# Altium PCB PCB.PcbDoc (part 2 of 10)
Units mm, origin at the board's own origin, x right, y up, seen from the top; angles counter-clockwise.
Board outline 25 x 25 mm, 10 copper layers (Top Layer, bu3, bu2, bu1, Core1, Core1b, bu1b, bu2b, bu3b, Bottom Layer), stack 1.2 mm thick; 43 components, 310 nets, 1945 pads, 12307 vias.
Unrouted connection lines stored in the file: 68.
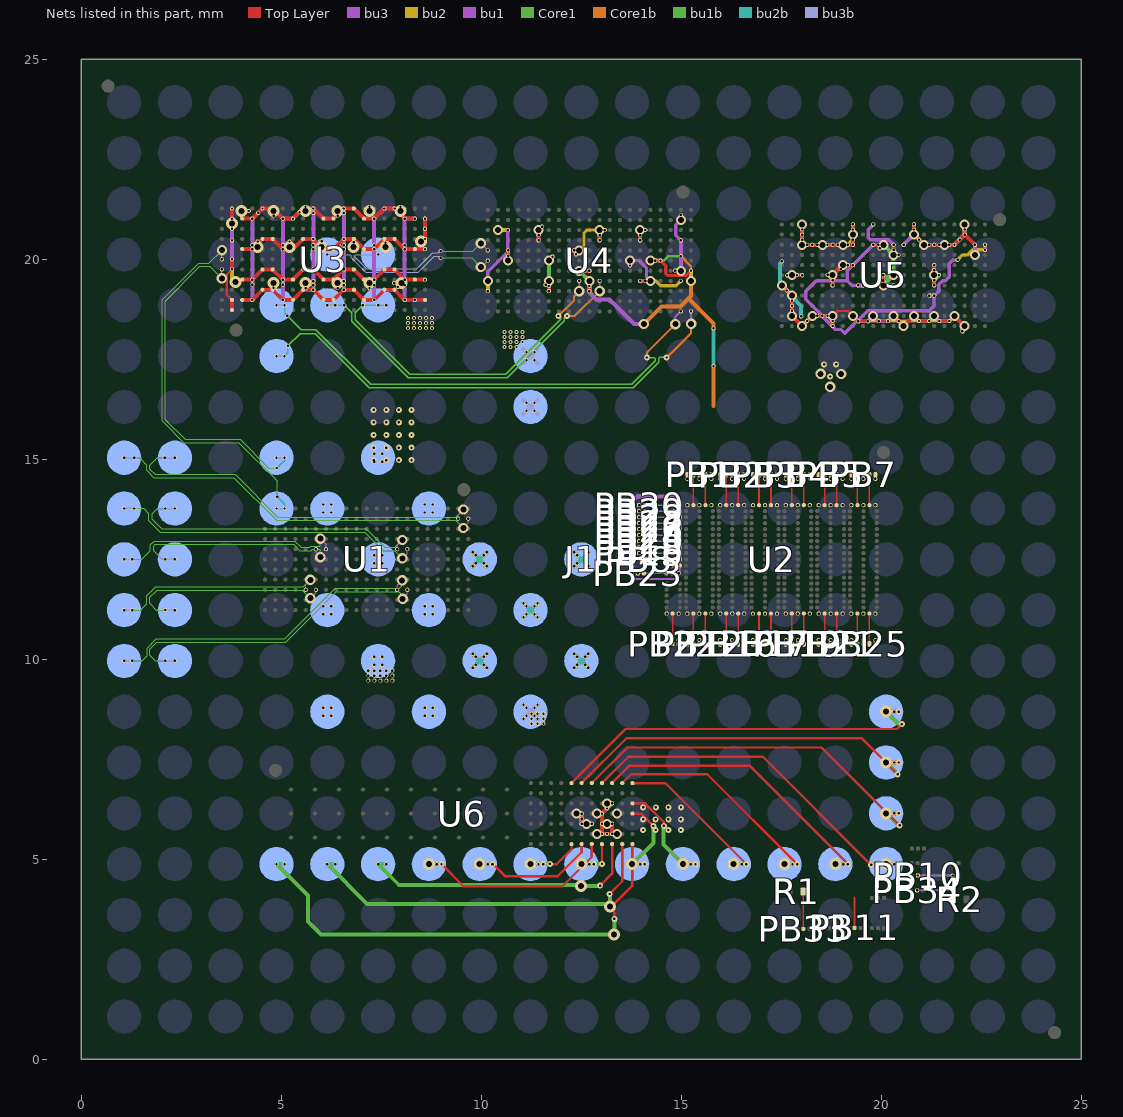
[diagram p10: the nets of this part, all layers, seen from the top]

## Via types
v1: diameter 0.1, hole 0.06, Top Layer to bu3, 2216 vias
v2: diameter 0.1, hole 0.06, bu3 to bu2, 1881 vias
v3: diameter 0.1, hole 0.06, bu3b to Bottom Layer, 1302 vias
v4: diameter 0.1, hole 0.06, bu2b to bu3b, 1272 vias
v5: diameter 0.1, hole 0.06, bu2 to bu1, 1248 vias
v6: diameter 0.15/0.1 (per signal layer), hole 0.06, Core1b to bu1b, 1224 vias
v7: diameter 0.1/0.15 (per signal layer), hole 0.06, bu1 to Core1, 1096 vias
v8: diameter 0.1, hole 0.06, bu1b to bu2b, 1021 vias
v9: diameter 0.25, hole 0.15, Core1 to Core1b, 537 vias
v10: diameter 0.3, hole 0.15, Core1 to Core1b, 253 vias
v11: diameter 0.1/0.1 (per signal layer), hole 0.06, bu1b to bu2b, 114 vias
v12: diameter 0.26, hole 0.15, Core1 to Core1b, 81 vias
v13: diameter 0.1, hole 0.06, bu1 to Core1, 52 vias
v14: diameter 0.105, hole 0.06, Top Layer to bu3, 6 vias
v15: diameter 0.1, hole 0.06, Core1b to bu1b, 4 vias

## Nets (pads, with @x,y where several pads share a name; then routed paths per layer and width w, separated by ;. In a path a pad name is that pad's centre, name@x,y a point inside that pad or via, vN(x,y) a via of type N, cw(c..) or ccw(c..) an arc to the next point about the centre after c; other vN are vias at no path point) (continued)
AVDD2: J1.F11 J1.G11 U4.J7 U4.K7 U5.A7 U5.B8 U5.B9 U5.B10 U5.C1 U5.C2 U5.C3 U5.C11 U5.D3 U5.D10 U5.E3 U5.E10 U5.F3 U5.F10 U5.F11 U5.G3 U5.H1 U5.H2 U5.H3 U5.H10 U5.J10 U5.L10 U5.M3 U5.M11 U5.N1 U5.N2 U5.N10 U5.O3 U5.P3 U5.P10 U5.Q3 U5.R3 U5.R10 U5.S1 U5.S2 U5.S11 U5.T3 | length 36.8
  Top Layer w0.06: v1(18.782,18.586) 18.904,18.708 19.168,18.708 v1(19.29,18.586) 19.423,18.453 19.665,18.453 v1(19.798,18.586) 19.927,18.457 20.177,18.457 v1(20.306,18.586) ; v1(20.814,18.586) 20.942,18.458 v2(21.195,18.459) v1(21.322,18.586) 21.447,18.461 21.705,18.461 v1(21.83,18.586)
  Top Layer w0.1: v1(12.448,19.714) v1(12.702,19.714) ; v1(17.512,19.348) v1(17.766,19.094) v1(17.766,18.84) v1(17.766,18.586) v1(18.02,18.332) v1(18.274,18.586) v1(18.528,18.586) v1(18.782,18.586) v1(18.782,18.332) ; v1(18.02,20.872) v1(18.02,20.618) v1(18.02,20.364) v1(18.274,20.364) v1(18.528,20.364) v1(18.782,20.364) v1(19.036,20.364) v1(19.29,20.364) v1(19.29,20.618) v1(19.29,20.872) ; v1(20.306,18.586) v1(20.56,18.332) v1(20.814,18.586) ; v1(20.814,20.872) v1(20.814,20.618) v1(21.068,20.364) v1(21.322,20.364) v1(21.576,20.364) v1(21.83,20.364) v1(22.084,20.618) ; v1(21.83,18.586) v1(22.084,18.332) ; v1(22.084,20.872) v1(22.084,20.618) ; v1(22.338,20.364) v1(22.084,20.618)
  bu3 w0.05: v1(21.83,18.586) 21.84,18.576 21.84,18.534 22.032,18.342 22.074,18.342 v1(22.084,18.332)
  bu3 w0.07: v1(20.814,18.586) v2(20.941,18.459) v2(21.195,18.459) v1(21.322,18.586) v2(21.449,18.459) v2(21.703,18.459) v1(21.83,18.586)
  bu3 w0.08: v1(19.29,18.586) v2(19.427,18.449) v2(19.661,18.449) v1(19.798,18.586) 19.803,18.586 v2(19.936,18.453) v2(20.168,18.453) 20.301,18.586 v1(20.306,18.586)
  bu3 w0.1: v1(12.448,19.714) v2(12.575,19.714) v1(12.702,19.714) ; v1(17.512,19.348) v2(17.639,19.221) v1(17.766,19.094) v2(17.766,18.967) v1(17.766,18.84) v2(17.766,18.713) v1(17.766,18.586) ; v1(18.02,18.332) v2(18.147,18.459) v1(18.274,18.586) v2(18.401,18.586) v1(18.528,18.586) v2(18.655,18.586) v1(18.782,18.586) v2(18.782,18.459) v1(18.782,18.332) ; v1(18.02,20.872) v2(18.02,20.745) v1(18.02,20.618) v2(18.02,20.491) v1(18.02,20.364) v2(18.147,20.364) v1(18.274,20.364) v2(18.401,20.364) v1(18.528,20.364) v2(18.655,20.364) v1(18.782,20.364) v2(18.909,20.364) v1(19.036,20.364) v2(19.163,20.364) v1(19.29,20.364) v2(19.29,20.491) v1(19.29,20.618) v2(19.29,20.745) v1(19.29,20.872) ; v1(20.306,18.586) v2(20.433,18.459) v1(20.56,18.332) ; v1(20.56,20.364) v1(20.814,20.618) ; v1(20.814,20.872) v2(20.814,20.745) v1(20.814,20.618) ; v1(22.084,20.872) v2(22.084,20.745) v1(22.084,20.618) v2(21.957,20.491) v1(21.83,20.364) v2(21.703,20.364) v1(21.576,20.364) v2(21.449,20.364) v1(21.322,20.364) v2(21.195,20.364) v1(21.068,20.364) v2(20.941,20.491) v1(20.814,20.618) ; v5(22.338,20.11) v1(22.338,20.364)
  Core1 w0.1: v1(12.448,19.714) v9(12.702,19.46)
  Core1b w0.1: v1(12.448,19.714) v9(12.702,19.46) ; v1(17.512,19.348) v1(17.766,19.094)
  bu3b w0.1: 11.055,16.135 v3(11.13,16.21) 11.23,16.31 ; 11.055,16.485 v3(11.13,16.41) 11.23,16.31 ; 11.055,17.405 v3(11.13,17.48) 11.23,17.58 ; 11.055,17.755 v3(11.13,17.68) 11.23,17.58 ; 11.405,16.135 v3(11.33,16.21) 11.23,16.31 ; 11.405,16.485 v3(11.33,16.41) 11.23,16.31 ; 11.405,17.405 v3(11.33,17.48) 11.23,17.58 ; 11.405,17.755 v3(11.33,17.68) 11.23,17.58
  bu2 w0.08: v1(19.29,18.586) 19.417,18.459 19.796,18.459 ; v1(19.798,18.586) 19.798,18.461 19.796,18.459 ; v1(20.306,18.586) 20.302,18.582 20.302,18.461 20.3,18.459 ; v1(20.56,18.332) 20.56,18.456 20.563,18.459 ; v1(20.814,18.586) 20.814,18.465 20.808,18.459 ; v1(21.322,18.586) 21.322,18.459 ; v5(22.024,18.198) 22.024,18.272 v1(22.084,18.332) v1(21.83,18.586) v2(21.703,18.459) v2(21.449,18.459) 21.322,18.459 ; 19.796,18.459 20.3,18.459 ; 20.3,18.459 20.563,18.459 ; 20.563,18.459 20.808,18.459 ; 20.808,18.459 v2(20.941,18.459) v2(21.195,18.459) 21.322,18.459
  bu2 w0.1: v1(12.448,19.714) v2(12.575,19.714) v1(12.702,19.714) ; v1(17.512,19.348) v2(17.639,19.221) v1(17.766,19.094) v2(17.766,18.967) v2(17.766,18.713) v1(17.766,18.586) ; v1(18.02,18.332) v2(18.147,18.459) v1(18.274,18.586) v2(18.401,18.586) v2(18.655,18.586) v1(18.782,18.586) v2(18.782,18.459) ; v1(18.02,20.872) v2(18.02,20.745) v2(18.02,20.491) v1(18.02,20.364) v2(18.147,20.364) v2(18.401,20.364) v1(18.528,20.364) v2(18.655,20.364) v2(18.909,20.364) v1(19.036,20.364) v2(19.163,20.364) v2(19.29,20.491) v1(19.29,20.618) v2(19.29,20.745) ; v1(20.814,20.872) v2(20.814,20.745) v1(20.814,20.618) v2(20.941,20.491) v1(21.068,20.364) v2(21.195,20.364) v1(21.322,20.364) v2(21.449,20.364) v1(21.576,20.364) v2(21.703,20.364) v1(21.83,20.364) v2(21.957,20.491) v1(22.084,20.618) v2(22.084,20.745) v1(22.084,20.872)
  bu2b w0.1: v8(17.515,19.948) 17.465,19.898 17.465,19.395 v1(17.512,19.348) v1(17.766,19.094) 17.766,19.067 17.995,18.838 v8(17.995,18.575)
  bu1 w0.1: v1(12.448,19.714) v1(12.702,19.714) ; v5(22.024,18.198) 22.024,18.272 v1(22.084,18.332)
  other v1: 12.575,19.714
  other v2: 22.084,18.332 12.702,19.714 22.338,20.11 18.274,20.364 18.782,20.364 21.322,20.364 21.83,20.364 22.084,20.618 20.814,20.872
  other v4: 10.58,17.807 10.73,17.807 10.88,17.807 10.58,17.932 10.73,17.932 10.88,17.932 11.03,17.932 10.58,18.057 10.73,18.057 10.88,18.057 11.03,18.057 10.58,18.182 10.73,18.182 10.88,18.182 11.03,18.182
  other v5: 18.02,18.332 20.56,18.332 17.766,18.586 18.274,18.586 18.782,18.586 19.29,18.586 19.798,18.586 20.306,18.586 20.814,18.586 21.322,18.586 21.83,18.586 17.766,19.094 17.512,19.348 12.448,19.714 12.702,19.714 18.02,20.364 18.528,20.364 19.036,20.364 21.068,20.364 21.576,20.364 19.29,20.618 20.814,20.618 18.02,20.872 22.084,20.872
  other v6: 18.02,18.332 20.56,18.332 22.084,18.332 17.766,18.586 18.274,18.586 18.782,18.586 19.29,18.586 19.798,18.586 20.306,18.586 20.814,18.586 21.322,18.586 21.83,18.586 17.766,19.094 17.512,19.348 12.702,19.46 12.448,19.714 22.338,20.11 18.02,20.364 18.528,20.364 19.036,20.364 21.068,20.364 21.576,20.364 19.29,20.618 20.814,20.618 18.02,20.872 22.084,20.872
  other v7: 18.02,18.332 20.56,18.332 22.084,18.332 17.766,18.586 18.274,18.586 18.782,18.586 19.29,18.586 19.798,18.586 20.306,18.586 20.814,18.586 21.322,18.586 21.83,18.586 17.766,19.094 17.512,19.348 12.448,19.714 22.338,20.11 18.02,20.364 18.528,20.364 19.036,20.364 21.068,20.364 21.576,20.364 19.29,20.618 20.814,20.618 18.02,20.872 22.084,20.872
  other v8: 10.58,17.807 10.73,17.807 10.88,17.807 10.58,17.932 10.73,17.932 10.88,17.932 11.03,17.932 10.58,18.057 10.73,18.057 10.88,18.057 11.03,18.057 10.58,18.182 10.73,18.182 10.88,18.182 11.03,18.182
  other v9: 18.02,18.332 20.56,18.332 22.084,18.332 17.766,18.586 18.274,18.586 18.782,18.586 19.29,18.586 19.798,18.586 20.306,18.586 20.814,18.586 21.322,18.586 21.83,18.586 17.766,19.094 17.512,19.348 12.448,19.714 22.338,20.11 18.02,20.364 18.528,20.364 19.036,20.364 21.068,20.364 21.576,20.364 19.29,20.618 20.814,20.618 18.02,20.872 22.084,20.872
  other v11: 17.766,19.094 17.512,19.348
BL__cml_out_1: J1.E15 U4.L8 | length 8.9
  Core1b w0.05: v6(12.143,18.584) 12.334,18.584 v12(12.956,19.206)
  bu3b w0.035: v3(6.15,18.85) v4(6.35,18.85)
  bu2b w0.035: v4(6.35,18.85) v8(6.578,18.85)
  bu1 w0.035: v12(12.956,19.206) v2(12.956,19.46)
  bu1b w0.035: v8(6.578,18.85) 6.766,18.662 6.766,18.449 8.172,17.043 10.65,17.043 12.076,18.469 12.076,18.534 12.127,18.584 v6(12.143,18.584)
  other v1: 12.956,19.46
  other v5: 12.956,19.46
  other v7: 12.956,19.206
BL__cml_out_2: J1.E14 U4.J8 | length 8.7
  Core1b w0.05: v6(11.925,18.583) 12.311,18.969 12.311,19.069 v12(12.448,19.206)
  bu3b w0.035: v3(7.42,18.85) v4(7.62,18.85)
  bu2b w0.035: v8(7.039,18.849) 7.04,18.85 v4(7.62,18.85)
  bu1 w0.035: v12(12.448,19.206) v2(12.448,19.46)
  bu1b w0.035: v8(7.039,18.849) 6.851,18.661 6.851,18.484 8.207,17.128 10.615,17.128 11.992,18.505 11.992,18.534 11.942,18.583 v6(11.925,18.583)
  other v1: 12.448,19.46
  other v5: 12.448,19.46
  other v7: 12.448,19.206
BL__hs_clk_n: J1.D14 U4.A5 | length 4.4
  bu3b w0.03: v3(7.42,20.12) 6.843,20.12 6.825,20.102 6.825,20.078 7.142,19.761 8.392,19.761 8.79,20.159 8.928,20.159 8.973,20.204 v4(8.981,20.204)
  bu1 w0.03: v6(9.986,20.399) v5@10.162,20.222
  bu1b w0.03: v4(8.981,20.204) 8.988,20.197 9.784,20.197 v6(9.986,20.399)
  other v1: 10.162,20.222
  other v2: 10.162,20.222
  other v5: 10.162,20.222
  other v7: 9.986,20.399
  other v8: 8.981,20.204
  other v12: 9.986,20.399
BL__hs_clk_p: J1.D15 U4.A6 | length 4.6
  bu3b w0.03: v3(6.15,20.12) 6.727,20.12 6.745,20.102 6.745,20.044 7.108,19.681 8.425,19.681 8.823,20.08 8.928,20.08 8.973,20.035 v8(8.981,20.035)
  bu1 w0.03: v6(9.986,19.807) 9.994,19.807 10.155,19.968 v1(10.162,19.968)
  bu1b w0.03: v8(8.981,20.035) 9.758,20.035 v6(9.986,19.807)
  other v2: 10.162,19.968
  other v4: 8.981,20.035
  other v5: 10.162,19.968
  other v7: 9.986,19.807
  other v12: 9.986,19.807
BL__mri_rf_lo_n: J1.E16 U4.T11 | length 12.4
  Core1b w0.05: v6(14.14,17.545) 14.145,17.55 14.145,17.673 v12(14.85,18.378)
  bu3b w0.035: v3(4.88,18.85) v4(5.08,18.85)
  bu2b w0.035: v4(5.08,18.85) 5.08,18.654 v8(5.147,18.587)
  bu1 w0.035: v12(14.85,18.378) 14.85,18.56 v1(14.988,18.698)
  bu1b w0.035: v8(5.147,18.587) 5.494,18.24 5.866,18.24 7.23,16.876 13.761,16.876 14.345,17.46 14.345,17.525 14.324,17.545 v6@14.141,17.545
  other v2: 14.988,18.698
  other v5: 14.988,18.698
  other v7: 14.85,18.378
BL__mri_rf_lo_p: J1.F16 U4.U11 | length 12.4
  Core1b w0.05: v6(14.634,17.546) 15.247,18.159 v12(15.247,18.388)
  bu3b w0.035: v3(4.88,17.58) v4(5.08,17.58)
  bu2b w0.035: v4(5.08,17.58) 5.166,17.666 v8(5.166,17.835)
  bu1 w0.035: v1(15.242,18.698) 15.244,18.695 15.244,18.39 v12(15.247,18.388)
  bu1b w0.035: v8(5.166,17.835) 5.473,18.142 5.844,18.142 7.195,16.791 13.796,16.791 14.43,17.424 14.43,17.525 14.451,17.546 v6(14.634,17.546)
  other v2: 15.242,18.698
  other v5: 15.242,18.698
  other v7: 15.247,18.388
DVDD: J1.K10 J1.K12 J1.L11 J1.M10 J1.M12 J1.N11 U3.A8 U3.A9 U3.A10 U3.T1 U3.T2 U3.T5 U3.T6 U3.T9 U3.T10 U3.T11 U4.A9 U4.B3 U4.K8 U4.K9 U4.Q6 U4.R6 U4.U7 U5.I7 U5.J3 U5.K3 U5.P8 U5.U3 U6.D6 U6.E5 U6.E6 | length 43.1
  Top Layer w0.03: U5.P8@21.309,19.102 21.317,19.094 v5(21.322,19.094)
  Top Layer w0.06: U3.T2@3.767,18.985 3.633,19.119 3.633,19.613 v1(3.767,19.747)
  Top Layer w0.08: v1(14.48,19.968) 14.609,19.839 14.609,19.642 14.656,19.595 15.123,19.595 v1(15.242,19.714)
  Top Layer w0.1: U3.T1@3.767,18.731 U3.T2@3.767,18.985 ; v1(3.767,19.747) v1(3.767,20.001) ; v1(3.767,20.763) v1(3.767,21.017) v1(3.767,21.271) ; v1(8.593,20.509) v1(8.593,20.763) v1(8.593,21.017) ; v1(12.508,6.143) v1(12.508,5.889) v1(12.762,5.889) ; v1(12.702,19.206) v1(12.702,19.46) ; v1(14.226,19.968) v1(14.48,19.968) ; v1(19.798,20.364) v1(20.052,20.364)
  bu3 w0.08: v5(21.322,19.094) 21.327,19.094 21.337,19.104 21.342,19.104 21.437,19.199 21.437,19.372 21.532,19.467 21.603,19.467 21.7,19.563 21.7,19.889 21.797,19.985 21.903,19.985 v2(21.907,19.989)
  bu3 w0.1: v1(3.767,19.747) v1(3.767,20.001) v1(3.767,20.763) v1(3.767,21.017) v1(3.767,21.271) ; v1(8.593,20.509) v1(8.593,20.763) v1(8.593,21.017) ; v1(12.508,6.143) v2(12.508,6.016) v1(12.508,5.889) v5(12.635,5.889) v1(12.762,5.889) ; v1(12.702,19.206) v2(12.702,19.333) v1(12.702,19.46) ; v1(14.226,19.968) v2(14.353,19.968) v1(14.48,19.968) ; v2(19.42,19.347) v2(19.42,19.347) v1(19.544,19.348) ; v1(19.798,20.364) v2(19.925,20.364) v1(20.052,20.364) ; v2(21.199,19.093) v2@21.301,19.094 ; v2(22.592,20.239) v1(22.592,20.364)
  Core1b w0.06: v15(14.99,20.079) 15.242,19.827 v5(15.242,19.46)
  Core1b w0.1: v7(14.063,18.384) 14.502,18.823 14.985,18.823 15.181,19.019 ; v5(15.242,19.46) 15.242,19.08 15.181,19.019 ; 15.804,16.328 v8(15.804,17.328) ; v15(15.804,18.273) 15.804,18.397 15.181,19.019
  bu3b w0.1: v4(9.785,9.785) v3(9.86,9.86) 9.96,9.96 ; v4(9.785,10.135) v3(9.86,10.06) 9.96,9.96 ; v4(9.785,12.325) v3(9.86,12.4) 9.96,12.5 ; v4(9.785,12.675) v3(9.86,12.6) 9.96,12.5 ; v4(10.135,9.785) v3(10.06,9.86) 9.96,9.96 ; v4(10.135,10.135) v3(10.06,10.06) 9.96,9.96 ; v4(10.135,12.325) v3(10.06,12.4) 9.96,12.5 ; v4(10.135,12.675) v3(10.06,12.6) 9.96,12.5 ; v4(11.055,8.515) v3(11.13,8.59) 11.23,8.69 ; v4(11.055,8.865) v3(11.13,8.79) 11.23,8.69 ; v4(11.055,11.055) v3(11.13,11.13) 11.23,11.23 ; v4(11.055,11.405) v3(11.13,11.33) 11.23,11.23 ; v4(11.405,8.515) v3(11.33,8.59) 11.23,8.69 ; v4(11.405,8.865) v3(11.33,8.79) 11.23,8.69 ; v4(11.405,11.055) v3(11.33,11.13) 11.23,11.23 ; v4(11.405,11.405) v3(11.33,11.33) 11.23,11.23 ; v4(12.325,9.785) v3(12.4,9.86) 12.5,9.96 ; v4(12.325,10.135) v3(12.4,10.06) 12.5,9.96 ; v4(12.325,12.325) v3(12.4,12.4) 12.5,12.5 ; v4(12.325,12.675) v3(12.4,12.6) 12.5,12.5 ; v4(12.675,9.785) v3(12.6,9.86) 12.5,9.96 ; v4(12.675,10.135) v3(12.6,10.06) 12.5,9.96 ; v4(12.675,12.325) v3(12.6,12.4) 12.5,12.5 ; v4(12.675,12.675) v3(12.6,12.6) 12.5,12.5
  bu2 w0.08: v2(21.907,19.989) 22.029,20.111 22.162,20.111 22.29,20.239 v2(22.592,20.239)
  bu2 w0.1: v2(3.767,20.476) v1(3.767,19.747) 3.767,19.517 v13(3.854,19.43) ; v1(3.767,20.763) v13(3.767,20.892) v1(3.767,21.017) ; v5(8.491,20.449) 8.533,20.449 v1(8.593,20.509) v1(8.593,20.763) v1(8.593,21.017) ; v1(10.162,19.206) v5(10.162,19.46) ; v1(10.416,20.73) v5(10.663,20.73) ; v9(12.381,6.143) v1(12.508,6.143) v2(12.508,6.016) v1(12.508,5.889) v5(12.635,5.889) v1(12.762,5.889) ; v1(12.702,19.206) v2(12.702,19.333) v1(12.702,19.46) ; v1(14.226,19.968) v2(14.353,19.968) ; v5(15.242,19.46) v1(15.242,19.714) ; v2(19.42,19.347) v2(19.42,19.347) v1(19.544,19.348) ; v2(19.925,20.364) v1(20.052,20.364) ; v2(21.199,19.093) v5(21.322,19.094) ; v2(22.592,20.239) v1(22.592,20.364)
  bu2b w0.1: v4(9.785,9.785) 9.96,9.96 ; v4(9.785,10.135) 9.96,9.96 ; v4(9.785,12.325) 9.96,12.5 ; v4(9.785,12.675) 9.96,12.5 ; v4(10.135,9.785) 9.96,9.96 ; v4(10.135,10.135) 9.96,9.96 ; v4(10.135,12.325) 9.96,12.5 ; v4(10.135,12.675) 9.96,12.5 ; v4(11.055,11.055) 11.23,11.23 ; v4(11.055,11.405) 11.23,11.23 ; v4(11.405,11.055) 11.23,11.23 ; v4(11.405,11.405) 11.23,11.23 ; v4(12.325,9.785) 12.5,9.96 ; v4(12.325,10.135) 12.5,9.96 ; v4(12.325,12.325) 12.5,12.5 ; v4(12.325,12.675) 12.5,12.5 ; v4(12.675,9.785) 12.5,9.96 ; v4(12.675,10.135) 12.5,9.96 ; v4(12.675,12.325) 12.5,12.5 ; v4(12.675,12.675) 12.5,12.5 ; v8(15.804,17.328) v15(15.804,18.273)
  bu1 w0.08: v5(10.162,19.46) 10.162,19.683 10.663,20.184 v5(10.663,20.73) ; v1(19.544,19.348) 19.265,19.348 19.148,19.465 ; v1(20.052,20.364) v1(19.798,20.364) 19.148,19.714 19.148,19.465 ; v2(21.199,19.093) 21.261,19.094 v5(21.322,19.094) ; v5@21.314,19.094 21.318,19.09 21.318,19.076 21.314,19.072 21.314,18.831 21.199,18.716 19.656,18.716 19.087,18.147 18.991,18.243 18.865,18.243 18.109,18.999 18.109,19.198 18.376,19.465 19.148,19.465
  bu1 w0.1: v1(10.416,20.73) v5(10.663,20.73) ; v1(12.702,19.46) v2(12.702,19.333) v1(12.702,19.206) 12.702,19.173 12.882,18.993 13.201,18.993 13.813,18.381 14.06,18.381 v7(14.063,18.384)
  bu1b w0.06: v1(14.226,19.968) 14.568,19.968 14.679,20.079 v15(14.99,20.079)
  other v1: 21.322,19.094
  other v2: 12.508,5.889 12.635,5.889 12.762,5.889 12.508,6.143 21.322,19.094 10.162,19.206 12.702,19.206 15.242,19.714 3.767,19.747 3.767,20.001 22.592,20.364 8.593,20.509 10.416,20.73 3.767,20.763 8.593,20.763 3.767,21.017 8.593,21.017
  other v5: 12.381,6.143 21.199,19.093 12.702,19.206 12.702,19.333 19.544,19.348 3.854,19.43 12.702,19.46 14.226,19.968 20.052,20.364 3.767,20.892
  other v6: 12.635,5.889 12.381,6.143 7.31,14.977 7.625,14.977 7.94,14.977 8.255,14.977 7.31,15.292 7.625,15.292 7.94,15.292 8.255,15.292 7.31,15.607 7.625,15.607 7.94,15.607 8.255,15.607 7.31,15.922 7.625,15.922 7.94,15.922 8.255,15.922 7.31,16.237 7.625,16.237 7.94,16.237 8.255,16.237 3.854,19.43 10.162,19.46 14.226,19.968 8.491,20.449 10.416,20.73 3.767,20.892
  other v7: 12.635,5.889 12.381,6.143 18.723,17.071 18.572,17.372 18.872,17.372 10.162,19.46 15.242,19.46 14.226,19.968 10.416,20.73
  other v8: 11.255,8.39 11.405,8.39 11.555,8.39 11.255,8.515 11.405,8.515 11.555,8.515 11.255,8.64 11.405,8.64 11.555,8.64 7.31,14.977 7.625,14.977 7.94,14.977 8.255,14.977 7.31,15.292 7.625,15.292 7.94,15.292 8.255,15.292 7.31,15.607 7.625,15.607 7.94,15.607 8.255,15.607 7.31,15.922 7.625,15.922 7.94,15.922 8.255,15.922 7.31,16.237 7.625,16.237 7.94,16.237 8.255,16.237 15.804,18.273 8.168,18.277 8.318,18.277 8.468,18.277 8.618,18.277 8.768,18.277 8.168,18.402 8.318,18.402 8.468,18.402 8.618,18.402 8.768,18.402 8.168,18.527 8.318,18.527 8.468,18.527 8.618,18.527 8.768,18.527
  other v9: 12.635,5.889 10.162,19.46 15.242,19.46 14.226,19.968 10.416,20.73
  other v10: 3.854,19.43 8.491,20.449 3.767,20.892
  other v12: 18.723,16.81 18.481,17.136 18.994,17.133 14.063,18.384
  other v13: 8.491,20.449
  other v15: 15.804,17.328
eos34_hs_clk_n: J1.T9 U6.D1 | length 2.9
  Top Layer w0.06: U6.D1@13.778,6.143 13.994,6.143 v5(14.303,5.834)
  Core1 w0.1: v3(13.77,4.88) 14.303,5.413 v5(14.303,5.834)
  Core1b w0.1: v3(13.77,4.88) v6(14.085,4.881)
  bu3b w0.1: v3(13.77,4.88) v4(13.97,4.88)
  bu2b w0.1: v3(13.77,4.88) v4(13.97,4.88)
  bu1b w0.1: v3(13.77,4.88) v6(14.085,4.881)
  other v1: 14.303,5.834
  other v2: 14.303,5.834
  other v7: 14.303,5.834
  other v8: 13.77,4.88
  other v10: 13.77,4.88
eos34_hs_clk_p: J1.T8 U6.C1 | length 3.3
  Top Layer w0.06: U6.C1@13.778,6.397 14.096,6.397 14.561,5.932 v7(14.561,5.837)
  Core1 w0.1: v7(14.561,5.837) 14.554,5.83 14.554,5.366 v3(15.04,4.88)
  Core1b w0.1: v3(15.04,4.88) v6(15.355,4.881)
  bu3b w0.1: v3(15.04,4.88) v4(15.24,4.88)
  bu2b w0.1: v3(15.04,4.88) v4(15.24,4.88)
  bu1b w0.1: v3(15.04,4.88) v6(15.355,4.881)
  other v1: 14.561,5.837
  other v2: 14.561,5.837
  other v5: 14.561,5.837
  other v8: 15.04,4.88
  other v10: 15.04,4.88
eos34_sigIn_0: J1.T7 U6.A1 | length 5
  Top Layer w0.06: U6.A1@13.778,6.905 14.6,6.905 v6(16.625,4.881)
  Core1 w0.1: v3(16.31,4.88) v6(16.625,4.881)
  Core1b w0.1: v3(16.31,4.88) v6(16.625,4.881)
  bu3b w0.1: v3(16.31,4.88) v4(16.51,4.88)
  bu2b w0.1: v3(16.31,4.88) v4(16.51,4.88)
  bu1b w0.1: v3(16.31,4.88) v6(16.625,4.881)
  other v1: 16.625,4.881
  other v2: 16.625,4.881
  other v5: 16.625,4.881
  other v7: 16.625,4.881
  other v8: 16.31,4.88
  other v10: 16.31,4.88
eos34_sigIn_1: J1.T6 U6.A2 | length 6.7
  Top Layer w0.06: U6.A2@13.524,6.905 13.746,7.127 15.648,7.127 v6(17.895,4.881)
  Core1 w0.1: v8(17.58,4.88) v6(17.895,4.881)
  Core1b w0.1: v8(17.58,4.88) v6(17.895,4.881)
  bu3b w0.1: v8(17.58,4.88) v4(17.78,4.88)
  bu2b w0.1: v8(17.58,4.88) v4(17.78,4.88)
  bu1b w0.1: v8(17.58,4.88) v6(17.895,4.881)
  other v1: 17.895,4.881
  other v2: 17.895,4.881
  other v3: 17.58,4.88
  other v5: 17.895,4.881
  other v7: 17.895,4.881
  other v10: 17.58,4.88
eos34_sigIn_2: J1.T5 U6.A3 | length 8.4
  Top Layer w0.06: U6.A3@13.27,6.905 13.708,7.343 16.702,7.343 v6(19.165,4.881)
  Core1 w0.1: v8(18.85,4.88) v6(19.165,4.881)
  Core1b w0.1: v8(18.85,4.88) v6(19.165,4.881)
  bu3b w0.1: v8(18.85,4.88) v4(19.05,4.88)
  bu2b w0.1: v8(18.85,4.88) v4(19.05,4.88)
  bu1b w0.1: v8(18.85,4.88) v6(19.165,4.881)
  other v1: 19.165,4.881
  other v2: 19.165,4.881
  other v3: 18.85,4.88
  other v5: 19.165,4.881
  other v7: 19.165,4.881
  other v10: 18.85,4.88
eos34_sigIn_3: J1.T4 U6.A4 | length 9.5
  Top Layer w0.06: U6.A4@13.016,6.905 13.676,7.565 17.039,7.565 v5(19.744,4.86)
  Core1 w0.1: v5(19.744,4.86) 19.754,4.87 19.835,4.87 19.845,4.88 v8(20.12,4.88)
  Core1b w0.1: v8(20.12,4.88) v6(20.435,4.881)
  bu3b w0.1: v8(20.12,4.88) v4(20.32,4.88)
  bu2b w0.1: v8(20.12,4.88) v4(20.32,4.88)
  bu1b w0.1: v8(20.12,4.88) v6(20.435,4.881)
  other v1: 19.744,4.86
  other v2: 19.744,4.86
  other v3: 20.12,4.88
  other v7: 19.744,4.86
  other v10: 20.12,4.88
eos34_sigIn_4: J1.R4 U6.A5 | length 10.4
  Top Layer w0.06: U6.A5@12.762,6.905 13.653,7.796 18.507,7.796 v1(20.456,5.847)
  Core1 w0.1: v8(20.12,6.15) 20.139,6.15 20.442,5.847 v1(20.456,5.847)
  Core1b w0.1: v8(20.12,6.15) v6(20.435,6.151)
  bu3b w0.1: v8(20.12,6.15) v4(20.32,6.15)
  bu2b w0.1: v8(20.12,6.15) v4(20.32,6.15)
  bu1b w0.1: v8(20.12,6.15) v6(20.435,6.151)
  other v2: 20.456,5.847
  other v3: 20.12,6.15
  other v5: 20.456,5.847
  other v7: 20.456,5.847
  other v10: 20.12,6.15
eos34_sigIn_5: J1.P4 U6.A6 | length 10.2
  Top Layer w0.06: U6.A6@12.508,6.905 13.634,8.031 19.502,8.031 v1(20.408,7.125)
  Core1 w0.1: v3(20.12,7.42) 20.12,7.416 20.408,7.128 v1(20.408,7.125)
  Core1b w0.1: v3(20.12,7.42) v6(20.435,7.421)
  bu3b w0.1: v3(20.12,7.42) v4(20.32,7.42)
  bu2b w0.1: v3(20.12,7.42) v4(20.32,7.42)
  bu1b w0.1: v3(20.12,7.42) v6(20.435,7.421)
  other v2: 20.408,7.125
  other v5: 20.408,7.125
  other v7: 20.408,7.125
  other v8: 20.12,7.42
  other v10: 20.12,7.42
eos34_sigIn_6: J1.N4 U6.A7 | length 10.4
  Top Layer w0.06: U6.A7@12.254,6.905 13.608,8.259 20.393,8.259 v1(20.515,8.381)
  Core1 w0.1: v8(20.12,8.69) 20.419,8.391 20.505,8.391 v1(20.515,8.381)
  Core1b w0.1: v8(20.12,8.69) v6(20.435,8.691)
  bu3b w0.1: v8(20.12,8.69) v4(20.32,8.69)
  bu2b w0.1: v8(20.12,8.69) v4(20.32,8.69)
  bu1b w0.1: v8(20.12,8.69) v6(20.435,8.691)
  other v2: 20.515,8.381
  other v3: 20.12,8.69
  other v5: 20.515,8.381
  other v7: 20.515,8.381
  other v10: 20.12,8.69
eos34_sigIn_7: J1.T16 U6.G1 | length 12.4
  Top Layer w0.06: v1(13.326,3.513) 13.326,3.894 13.778,4.346 U6.G1@13.778,5.381
  Core1 w0.1: v6(13.321,3.123) 13.323,3.126 13.323,3.51 v1(13.326,3.513)
  bu3b w0.1: v3(4.88,4.88) v4(5.08,4.88)
  bu2b w0.1: v3(4.88,4.88) v4(5.08,4.88)
  bu1b w0.1: v3(4.88,4.88) 5.665,4.095 5.665,3.45 5.992,3.123 v6(13.321,3.123)
  other v2: 13.326,3.513
  other v5: 13.326,3.513
  other v7: 13.326,3.513
  other v8: 4.88,4.88
  other v10: 13.321,3.123
eos34_sigIn_8: J1.T15 U6.G2 | length 9.6
  Top Layer w0.06: v7(13.207,4.133) 13.524,4.45 U6.G2@13.524,5.381
  Core1 w0.1: v7(13.207,4.133) 13.211,4.129 13.211,3.826 v6(13.215,3.822)
  bu3b w0.1: v3(6.15,4.88) v4(6.35,4.88)
  bu2b w0.1: v3(6.15,4.88) v4(6.35,4.88)
  bu1b w0.1: v3(6.15,4.88) 7.147,3.883 13.154,3.883 v6(13.215,3.822)